# KiCad board Endstufe.kicad_pcb (continued)
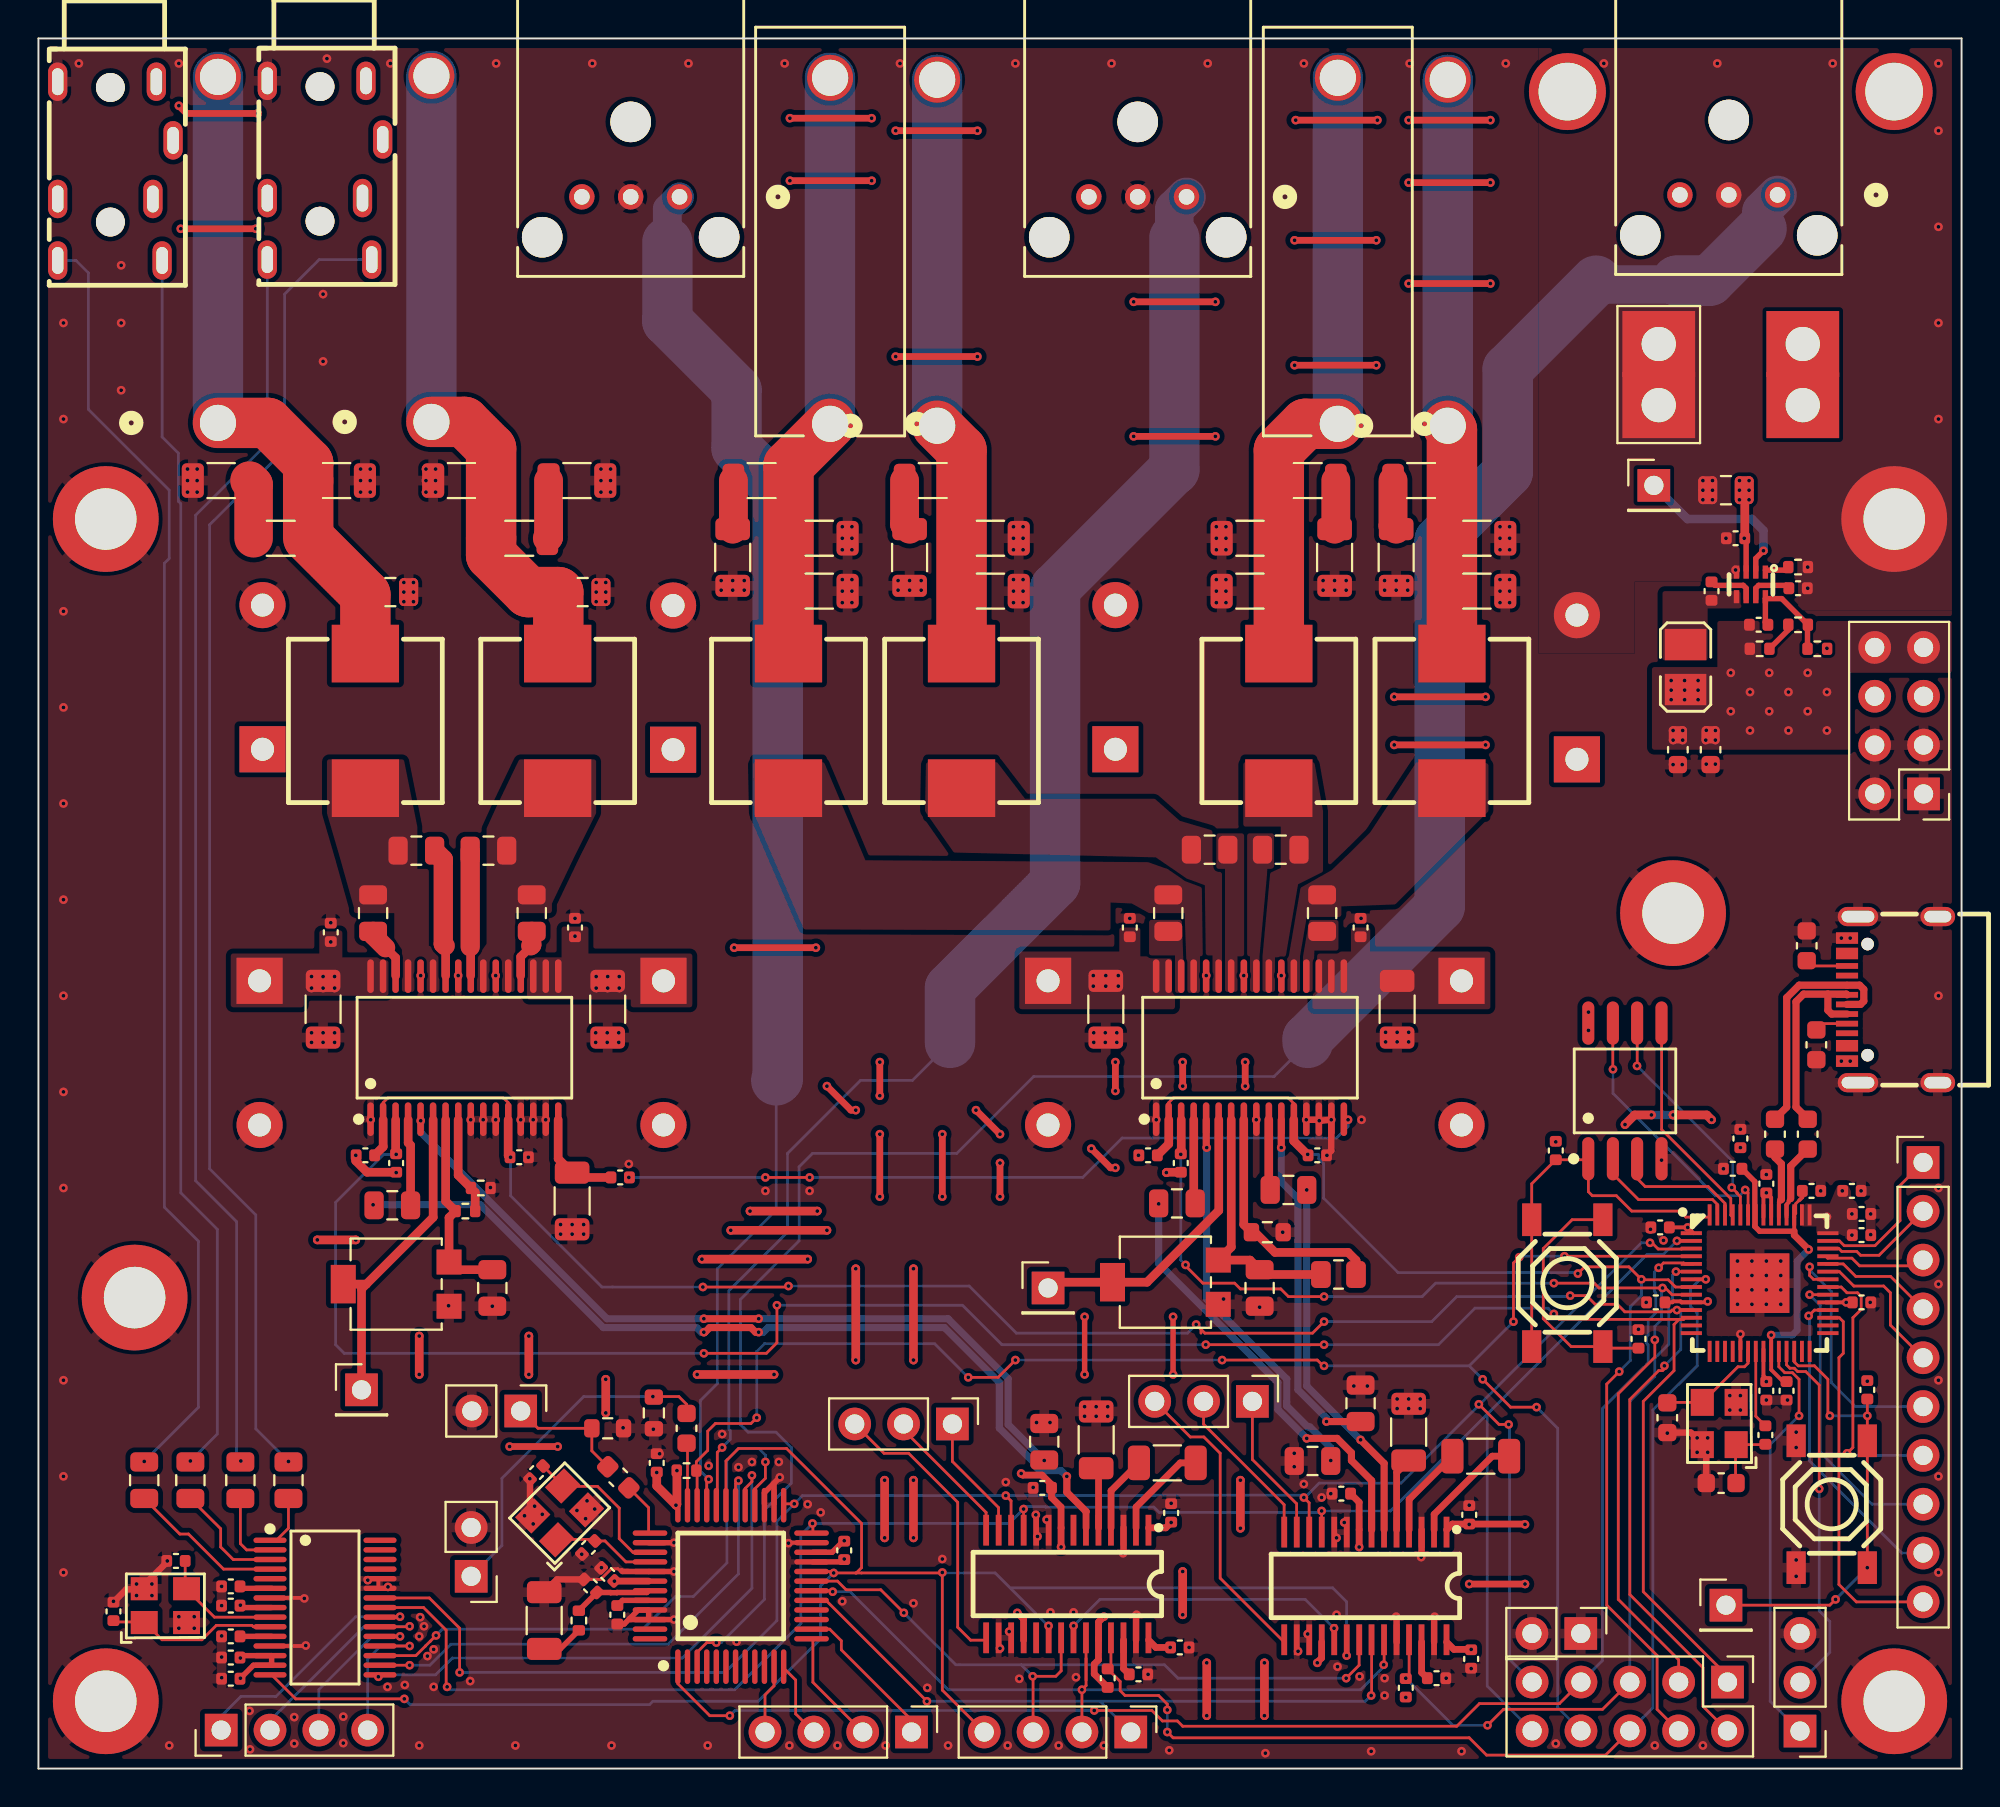
[diagram p0: board, top side]
## Routing (per net, layer and track width the routed paths; a pad name or vN(x,y) marks a point on that pad's centre or on a via; arc(x,y) is an arc through that point) (continued)
Net-(J8-Pin_1): length 6.4
  Top w0.143: 49.93,12.52 49.93,13.57 47.53,15.97 J8.1
Net-(J8-Pin_2): length 7.2
  Top w0.143: 49.28,12.52 49.28,13.32 44.99,17.61 J8.2
Net-(J8-Pin_3): length 15.3
  Top w0.143: J8.3 43.97,16.4 45.25,16.4 47.8,13.85 47.8,7.35 48.47,6.68 49.28,6.68
Net-(J9-Pin_1): length 15.3
  Top w0.45: J9.1 52.8,25.3 RV1.2 57.65,25.3 61.38,29.03 61.38,33.75
Net-(J10-Pin_1): length 16.8
  Top w0.45: 17.05,25.2 RV2.2 ; 17.05,25.2 16.8,24.95 J10.1 ; 17.05,25.2 20.53,28.68 20.53,33.75
Net-(J11-Pin_1): length 31.1
  Top w1.6: 39.12,58.08 39,57.95 ; 39.06,64.06 C78.1
  Top w2.62: L1.2 39,67.79 J11.1
  Bottom w2.62: 41.16,87.95 41.16,69.95
Net-(J12-Pin_1): length 30.4
  Top w2.62: J12.1 48,68.59 L2.2
  Bottom w2.62: J12.1 J12.1
Net-(J13-Pin_1): length 32.3
  Top w1.6: 64.54,64.06 C82.1
  Top w2.62: J13.1 65.88,69.95 64.5,68.57 L3.2
  Bottom w2.62: J13.1 J13.1
Net-(J14-Pin_1): length 30.2
  Top w1.6: 73.32,58.12 73.5,57.95
  Top w2.62: L4.2 73.5,69.64 J14.1
  Bottom w2.62: J14.1 J14.1
Net-(J15-Pin_1): length 34.6
  Top w2.62: L5.2 17,61.06 R26.1 ; J15.1 11.93,70 14.03,67.9 C94.1 14.03,64.04
  Bottom w2.62: J15.1 J15.1
Net-(J16-Pin_1): length 34.7
  Top w2.62: L6.2 27.03,58.03 27.03,61.2 25.46,61.2 23.54,63.12 R27.2 23.54,68.66 22.15,70.05 J16.1
  Bottom w2.62: J16.1 J16.1
Net-(J17-Pin_1): length 8.9
  Top w0.28: 89.3,62.34 89.3,62.95 v1(89.7,63.35)
  Bottom w0.45: J17.1 85.75,65 89.1,65 89.7,64.4 v1(89.7,63.35)
Net-(J19-Pin_1): length 13.3
  Top w0.143: v1(18.8,7.9) 18.78,7.88 17.68,7.88
  Bottom w0.143: J19.1 9.5,2.72 10.53,3.75 12.35,3.75 16.5,7.9 v1(18.8,7.9)
Net-(J19-Pin_2): length 11.4
  Top w0.143: 17.68,7.37 19.27,7.37 v1(19.3,7.4)
  Bottom w0.143: v1(19.3,7.4) 16.95,7.4 12.04,2.49 J19.2
Net-(J19-Pin_3): length 8.6
  Top w0.143: 17.68,6.88 18.82,6.88
  Bottom w0.143: v1(18.8,6.88) 17.35,6.88 14.58,4.1 J19.3
Net-(J19-Pin_4): length 7.8
  Top w0.143: 17.68,6.38 v1(19.3,6.38)
  Bottom w0.143: J19.4 17.12,5.69 17.8,6.38 v1(19.3,6.38)
Net-(J21-Pin_1): length 8
  Top w0.143: 40.27,7.25 41.15,7.25 41.75,6.65 41.75,6.18 45.4,2.53 J21.1
Net-(J21-Pin_2): length 5.9
  Top w0.143: 40.27,6.75 40.27,4.49 J21.2
Net-(J21-Pin_3): length 4
  Top w0.143: J21.3 39.38,2.84 39.38,4.6 38.75,5.23
Net-(J21-Pin_4): length 3.5
  Top w0.143: 38.25,5.23 38.25,4.3 37.78,3.83 J21.4
Net-(J22-Pin_1): length 8
  Top w0.143: 92.94,27.45 93.65,27.45 93.9,27.2 95.5,27.2 96.8,28.5 96.8,30.33 J22.1
Net-(J22-Pin_2): length 6.2
  Top w0.143: 92.94,27.05 93.62,27.05 93.77,26.9 94.55,26.9 94.75,26.7 95.71,26.7 J22.2
Net-(J22-Pin_3): length 5.4
  Top w0.143: J22.3 97.7,26.15 94.7,26.15 94.3,26.55 93.04,26.55 92.94,26.65
Net-(J22-Pin_4): length 6
  Top w0.143: 92.94,26.25 93.85,26.25 94.5,25.6 96.31,25.6 J22.4
Net-(J22-Pin_5): length 7.9
  Top w0.143: J22.5 96.3,23.07 96.3,24.75 95.95,25.1 94.4,25.1 93.65,25.85 92.94,25.85
Net-(J22-Pin_6): length 13.2
  Top w0.143: 92.15,26.05 v1(92.1,26.1) 92.1,25.65 92.3,25.45 92.94,25.45
  Bottom w0.143: v1(92.1,26.1) 92.1,25.95 93.22,24.83 93.22,20.09 94.48,18.83 J22.6
Net-(J22-Pin_7): length 14.4
  Top w0.143: U8.35 93.74,25.05 94.04,24.75 94.59,24.75 94.78,24.56 94.78,23.88 94.35,23.45 94.35,16.7 v1(94.05,16.4)
  Bottom w0.143: J22.7 94.16,16.29 v1(94.05,16.4)
Net-(J22-Pin_8): length 15.8
  Top w0.143: 92.15,24.65 v1(92.1,24.65) 92.94,24.65
  Bottom w0.143: v1(92.1,24.65) 92.65,24.1 92.65,16.45 95.35,13.75 J22.8
Net-(J22-Pin_9): length 16.5
  Top w0.143: 92.1,23.6 v1(92.05,23.55) 92.35,23.85 92.94,23.85
  Bottom w0.143: J22.9 96.89,11.21 92.1,16 92.1,23.5 v1(92.05,23.55)
Net-(J22-Pin_10): length 19.5
  Top w0.143: 92.94,23.45 93.65,23.45 93.85,23.25 93.85,21.6 93.62,21.37 93.62,9.58 94.53,8.67 J22.10
Net-(J27-Pin_1): length 23.9
  Top w0.143: v1(93.45,8.8) 93.15,8.5 J27.1 ; U8.26 91.3,21.16 91.51,20.95 92.35,20.95 93.05,20.25 93.05,18.45 v1(93.15,18.35) ; v1(95.1,10.45) SW2.1 v1(95.1,18.35) R37.1 ; 91.3,21.45 91.3,21.81
  Bottom w0.143: v1(93.15,18.35) v1(95.1,18.35) ; v1(93.45,8.8) v1(95.1,10.45)
Net-(J28-Pin_1): length 21.8
  Top w0.143: 90.5,21.81 90.5,20.9 90.81,20.59 91.21,20.59 91.55,20.25 v1(91.55,18.35)
  Bottom w0.143: J28.1 90.05,3.5 90.05,16.85 v1(91.55,18.35)
Net-(J28-Pin_2): length 19.3
  Top w0.143: v1(92.6,14.55) 92.6,19.95 91.9,20.65 91.48,20.65 91.3,20.82 91.08,20.82 90.9,21 90.9,21.81
  Bottom w0.143: v1(92.6,14.55) 92.6,8.2 93.15,7.65 93.15,6.04 J28.2
Net-(R1-Pad1): length 1.7
  Top w0.28: R29.2 90.99,59.23 R1.1
Net-(SW1-A): length 20.4
  Top w0.143: SW1.1 SW1.2 77.65,30.42 R31.2 80.57,31.67 80.59,31.65 80.59,30 80.8,29.8 82.05,29.8 82.85,29 85.35,29 85.66,28.69 86.9,28.69
Net-(SW1-C): length 13
  Top w0.143: SW1.4 79.75,28.55 78.25,27.05 78.25,23.4 79.7,21.95 SW1.3 81.43,21.87 R32.2
Net-(U1-LDO): length 1.6
  Top w0.28: 12.13,6.88 C11.1
Net-(U1-VINL1_VIN1P): length 6.1
  Top w0.143: 12.13,10.88 10.12,10.88 9.47,11.53 9.47,12.47 C1.2
Net-(U1-VINL2_VIN1M): length 2.7
  Top w0.143: 12.13,11.88 12.38,11.88 13,12.5 C3.2
Net-(U1-VINR1_VIN2P): length 8.1
  Top w0.143: C2.2 7.35,12.2 7.8,12.2 9.62,10.38 12.13,10.38
Net-(U1-VINR2_VIN2M): length 4.1
  Top w0.143: 12.13,11.38 10.82,11.38 10.5,11.7 C4.2
Net-(U1-VREF): length 1.7
  Top w0.28: 12.13,9.38 10.58,9.38 C12.1
Net-(U1-XI): length 9
  Top w0.143: C8.1 3.97,7.62 5.5,7.62 6.43,6.7 8.5,6.7 9.25,7.45 11.1,7.45 11.18,7.37 12.13,7.37
Net-(U1-XO): length 6.5
  Top w0.143: C7.2 7.63,9.4 9.15,7.88 12.13,7.88
Net-(U2A-MPIO_A0): length 120
  Top w0.143: v1(35.25,6.55) 34.75,6.55 34.25,6.05 34.25,5.23
  Bottom w0.143: 66,37.75 64.25,36 51.75,36 47.75,32 40.25,32 39.55,31.3 39.55,27.45 36.5,24.4 36.5,17.9 36.9,17.5 38.35,17.5 39.15,16.7 39.15,14.85 37.75,13.45 37.75,8.8 35.5,6.55 v1(35.25,6.55)
  Bottom w2: 81,77.4 81.2,77.2 85,77.2 85.2,77.4 ; J20.1 89.6,81.02 89.6,80.1
  Bottom w2.62: 86.5,77.4 85.2,77.4 86.9,77.4 89.6,80.1 ; 81,77.4 76.4,72.8 76.4,67.43 72.86,63.9 72.86,44.84 66,37.97 66,37.75
Net-(U2A-RXIN0): length 2.8
  Top w0.143: C32.1 31.73,13.57 31.73,12.25
Net-(U2A-RXIN1): length 3.2
  Top w0.143: C31.1 33.75,16.88 33.75,13.77
Net-(U2A-RXIN2): length 72.5
  Top w0.143: 34.75,13.77 34.75,14.95 v1(34.85,15.05)
  Bottom w0.143: v1(34.85,15.05) 34.42,15.48 34.42,19.15 35.3,20.03 35.3,26 38.36,29.06 38.36,35.8
  Bottom w1.5: 32.7,79.4 32.7,81.13 J5.1
  Bottom w2.62: 32.7,79.4 32.7,75.3 36.3,71.7 36.3,68.7 38.44,66.56 38.44,35.88 38.36,35.8
Net-(U2A-RXIN3): length 79.8
  Top w0.143: v1(35.55,16.7) 35.3,16.45 35.3,13.82 35.25,13.77
  Bottom w0.143: v1(35.55,16.7) 35.98,17.13 35.98,17.58 35.9,17.65 35.9,24.85 38.95,27.9 38.95,32 42.75,35.8 45.45,35.8 47.4,37.75
  Bottom w2: J6.1 59.07,81.13 59.07,79.6
  Bottom w2.62: 47.4,37.75 47.4,40.6 52.86,46.06 52.86,61.4 59.03,67.57 59.07,67.57 59.07,79.6
Net-(U2A-XTI): length 8.3
  Top w0.143: 31.73,11.25 30.91,11.25 30.2,11.96 30.2,13.55 29.07,14.68 27.28,14.68 27.28,14.7 C29.2
Net-(U2A-XTO): length 5.3
  Top w0.143: 31.73,10.75 30.55,10.75 29.46,11.84 C30.1 28.86,11.92 26.92,11.92
Net-(U2B-FILT): length 4.1
  Top w0.28: 31.73,9.25 31.64,9.16 30.09,9.16 30.08,9.15 29.76,9.15 29.75,9.16 29.04,9.16 C19.1 28.1,8.22 R5.2
Net-(U2B-VCOM): length 1.7
  Top w0.28: 31.73,8.75 30.37,8.75 C27.1
Net-(U3B-CAPM): length 4.8
  Top w0.35: 71.27,12.42 71.27,14 C17.2
Net-(U3B-CAPP): length 6
  Top w0.35: C17.1 75.6,16.25 72.57,13.22 72.57,12.42
Net-(U3B-LDOO): length 2
  Top w0.35: 71.93,6.58 71.93,5 C40.1
Net-(U3B-VNEG): length 3.9
  Top w0.35: C15.1 70.63,15.4 70.63,12.42
Net-(U4B-CAPM): length 4
  Top w0.35: C18.2 55.77,14.45 55.77,12.52
Net-(U4B-CAPP): length 5.1
  Top w0.35: 60.18,15.9 59.37,15.9 57.07,13.6 57.07,12.52
Net-(U4B-LDOO): length 1.9
  Top w0.35: 56.43,6.68 56.43,5.19 C51.1
Net-(U4B-VNEG): length 3.2
  Top w0.35: 55.13,12.52 55.13,15.5 C16.1
Net-(U5-GAIN_SLV): length 12.8
  Top w0.45: R14.2 68.51,26.44 68.1,26.85 64.3,26.85 63.25,27.9 R15.1 62.68,28.3 62.68,33.75
Net-(U5-GVDD): length 13.2
  Top w0.45: R14.1 63.75,25.7 C57.2 63,26.45 RV1.3 62.03,27.13 62.03,33.75
Net-(U5-LINN): length 18.4
  Top w0.37: 64.63,33.75 v1(64.62,32.3) ; C56.2 v1(66.97,18.05)
  Bottom w0.37: v1(66.97,18.05) 66.97,18.22 65.49,19.71 65.49,29.65 64.62,30.52 v1(64.62,32.3)
Net-(U5-LINP): length 3.7
  Top w0.45: 63.97,33.75 63.97,30.18 C55.2
Net-(U5-RINN): length 20.5
  Top w0.37: 60.73,33.75 60.73,32.32 v1(60.75,32.3)
  Bottom w0.37: v1(67.2,16.03) 67.2,16.69 66.11,17.78 66,17.78 64.91,18.87 64.91,20.27 61.61,23.56 60.75,24.42 v1(60.75,32.3)
Net-(U5-RINP): length 4.4
  Top w0.45: 60.08,33.75 60.08,29.47 C53.2
Net-(U6-BSNL): length 2.3
  Top w0.45: 25.45,42.6 25.07,42.23 25.07,41.25
  Top w1: 25.6,42.8 25.65,42.85 C98.1
Net-(U6-BSNR): length 6.7
  Top w0.45: 21.15,42.8 21.17,42.78 21.17,41.25
  Top w1: 21.15,42.8 21.05,42.9 21.05,47.3 C59.1
Net-(U6-BSPL): length 6.5
  Top w0.45: 22.47,41.25 22.47,42.67 22.5,42.7
  Top w0.8: 22.45,42.75 22.5,42.7
  Top w1: C99.1 22.45,42.75
Net-(U6-BSPR): length 2.8
  Top w0.45: 18.05,42.7 18.57,42.18 18.57,41.25
  Top w1: C58.1 17.4,43.35 18.05,42.7
Net-(U6-GAIN_SLV): length 5.1
  Top w0.45: 21.83,33.75 21.83,30.86 R16.1 22.71,29.98 R17.2
Net-(U6-GVDD): length 10.2
  Top w0.45: 21.18,33.75 21.18,29.51 R17.1 21.35,28.66 RV2.3 21.75,25.95 C61.2
Net-(U6-RINN): length 41.5
  Top w0.37: v1(37.45,23.4) v1(34.6,23.4)
  Bottom w0.37: v1(19.88,33.7) 19.88,33.09 29.56,23.4 v1(34.6,23.4) ; v1(37.45,23.4) 47.3,23.4 50.43,20.28 50.43,17.9 v1(52.3,16.03)
Net-(U6-RINP): length 4.5
  Top w0.45: 19.23,33.75 19.23,32.55 19.35,32.43 C62.2
Net-(U6-SYNC): length 5.2
  Top w0.45: 27.02,33.75 27.02,31.73 C63.1 28,30.75 R21.2
Net-(U7-BST): length 2.5
  Top w0.28: C21.1 87.18,61.55 88.65,61.55 88.8,61.4 88.8,60.86
Net-(U7-FB): length 5.4
  Top w0.28: R30.1 91.99,59.48 R1.2 90.65,60.86 89.8,60.86 89.8,59.63 C22.2
Net-(U7-RT): length 1.3
  Top w0.28: 89.8,62.34 90.83,62.34 R28.1
Net-(U7-SS): length 2.4
  Top w0.28: 89.3,60.86 89.3,61.4 89.45,61.55 90.87,61.55 C5.1
Net-(U8-QSPI_SCLK): length 12.4
  Top w0.143: v1(83.12,36.55) 83.13,36.56 83.13,38.85 ; 88.5,28.69 88.5,29.75 88.32,29.92 88.32,29.95 v1(88.05,30.22)
  Bottom w0.143: v1(83.12,36.55) 88.1,31.58 88.1,30.28 v1(88.05,30.22)
Net-(U8-QSPI_SD0): length 11.7
  Top w0.143: 88.1,28.69 88,28.79 88,29.65 84.41,33.25 84.41,38.85
Net-(U8-QSPI_SD1): length 7.4
  Top w0.143: U8.55 87.3,29.35 87.05,29.6 83.2,29.6 81.87,30.94 81.87,31.65
Net-(U8-QSPI_SD2): length 6.8
  Top w0.143: 83.13,31.65 83.13,30.69 83.55,30.28 86.82,30.28 87.7,29.4 87.7,28.69
Net-(U8-QSPI_SD3): length 14.4
  Top w0.143: 88.9,28.69 88.9,29.95 v1(88.75,30.1) ; 81.87,38.85 81.87,36.39 v1(81.88,36.38)
  Bottom w0.143: v1(81.88,36.38) 81.88,35.12 87.2,29.8 88.45,29.8 v1(88.75,30.1)
Net-(U8-VREG_VOUT): length 18.3
  Top w0.143: U8.45 91.38,28.88 91.38,29.39 91.49,29.5
  Top w0.2: 91.72,30.06 C33.2 91.72,29.72 91.56,29.56 ; 91.1,20.13 90.72,20.13 90.1,20.75 v1(90.1,22.55) ; 91.3,27.95 91.3,29.19
  Top w0.28: C44.2 88.57,31.21 88.58,31.21 C44.2 ; C44.2 89.25,30.53 89.25,28.2 89.5,27.95 91.3,27.95
  Top w0.35: 91.3,27.95 91.3,27.75 v1(92.05,27)
  Bottom w0.35: v1(90.1,22.55) 91.2,22.55 91.45,22.8 91.45,26.4 v1(92.05,27)
Net-(U8-XIN): length 5.8
  Top w0.143: C108.2 84.72,19.05 86.57,19.05 ; 88.9,21.81 88.9,21.09 88.71,20.9 88.37,20.9 Y3.3
Net-(U8-XOUT): length 4.2
  Top w0.143: 89.3,21.81 89.3,18.33 R38.2
Net-(U10-CC1): length 1.7
  Top w0.143: 92.45,38.42 92.78,38.75 U10.A5
Net-(U10-CC2): length 2.2
  Top w0.143: U10.B5 92.22,41.75 R35.1

## Copper pours and planes (outline as drawn; the poured copper is in the pictures)
+3V3 on Top: 99.5,59.7 87.3,59.7 87.3,57.3 83.9,57.3 83.9,53 94.2,53 94.2,57 99.5,57
+3V3 on Top: 94.6,27.45 93.95,27.45 93.95,27.7 92.45,27.7 92.45,28.2 91.55,28.2 91.55,29.4 93.15,29.4 93.55,30.35 94.1,30.35 94.6,29.3
+3V3 on Bottom: 0.5,89.5 99.5,89.5 99.5,0.5 0.5,0.5
+24V on Top: 18.2,40.2 13.8,40.2 13.8,39.6 10,39.6 10,42.4 14.6,42.4 14.6,43.6 15.8,43.6 15.8,42.2 18.2,42.2
+24V on Top: 75.5,39.5 66.25,39.5 66.25,42.5 68.25,42.5 68.25,43.75 69.25,43.75 69.25,42.5 75.5,42.5
+24V on Top: 51,39.5 51,42.5 56.2,42.5 56.2,43.75 57.3,43.75 57.3,42.25 59.1,42.25 59.1,39.5
+24V on Top: 34,39.6 30.8,39.6 30.8,40 25.4,40 25.4,42.2 27.2,42.2 27.2,43.8 28.6,43.8 28.6,42.4 34,42.4
+24V on In2.Cu: 99.5,77 19.3,77 19.3,64.2 9.45,64.2 9.45,37 99.5,37
GND on Top: 91.5,60.25 91.5,61.75 83,61.75 83,58 78,58 78,89.5 99.5,89.5 99.5,60.25
GND on Top, In1.Cu, In2.Cu: 0.5,89.5 99.5,89.5 99.5,0.5 0.5,0.5
Net-(U5-BSNL) on Top: 65.6,40.4 66.25,40.4 66.35,42.55 67.6,42.55 67.6,44.15 65.8,44.15 65.6,42.25
Net-(U5-BSNR) on Top: 61.7,40.4 62.35,40.4 62.35,42.25 62.8,42.25 62.75,48.65 61.25,48.65 61.25,46.8 61.7,46.8
Net-(U5-BSPL) on Top: 63.65,40.4 63,40.4 63,42.25 62.85,42.25 62.85,48.65 64.25,48.65 64.25,46.8 63.9,46.8 63.65,42.25
Net-(U5-BSPR) on Top: 59.75,40.35 59.75,44.15 57.75,44.15 57.75,42.3 59.1,42.3 59.1,40.35
Net-(U5-OUTNL) on Top: 65.6,40.4 64.95,40.4 64.65,42.15 65.14,45.55 65.95,46 67.25,46.74 68.2,47.65 69.25,48.7 71.65,52.35 75.4,52.3 75.4,49.8 70.55,44.95 67.75,44.85 67.75,44.3 65.95,44.3 65.6,42.25
Net-(U5-OUTNR) on Top: 61.7,40.4 61.7,46.8 61.05,47.2 61.05,48.8 59.35,49.3 58.05,50.45 51.3,50.45 49.85,52.35 46.15,52.35 46.1,49.8 47.6,47.65 58.1,47.4 59.2,46.65 59.7,46.3 60.65,45.95 60.7,42.3 61.05,42.3 61.05,40.4
Net-(U5-OUTPL) on Top: 63.65,40.4 64.3,40.4 64.3,42.2 64.85,42.2 65.5,46 66.8,46.65 66.8,49.8 66.35,52.35 62.65,52.35 62.65,49 64.6,49 64.6,46.85 64.05,46.6 63.65,42.25
Net-(U5-OUTPR) on Top: 60.65,42.25 60.4,42.25 60.4,40.35 59.75,40.35 59.6,44.5 57.75,44.5 56.85,45 55.75,45.05 55.75,43.6 39.8,43.65 37.2,49.7 37.15,52.35 40.85,52.35 43,47.25 57.7,47.15 58.55,46.85 60.5,46.3
Net-(U6-OUTNL) on Top: 22.8,40.4 24.8,40.4 24.8,44.5 26.7,44.5 26.7,45 27.9,47.5 29,49.7 29,52.5 25,52.5 23.8,50 23.3,48.9 23.3,42.9 22.8,42.2
Net-(U6-OUTNR) on Top: 18.9,40.4 20.9,40.4 20.9,42.8 20.3,42.8 20.3,46.8 19.7,46.8 19.7,49 19,52.5 15,52.5 15,49.7 15.7,47.3 16.4,44.8 16.4,44.5 18.5,44.5 18.5,43.2 18.9,42.6
Net-(U7-SW) on Top: 88.55,61.25 84.45,61.25 84.45,57.65 86.8,57.65 86.8,60.35 88.55,60.35

## Text on the board
B.Silkscreen: {dblquote}Endstufe{dblquote} V1 / 2.1 2x50W + 1x100W Amplifier Board / with 2xAUX + 2xS/PDIF input / Designed by Leander Wollersberger
